# Altium PCB SUDA_V3S.PcbDoc (part 1 of 2) (continued)
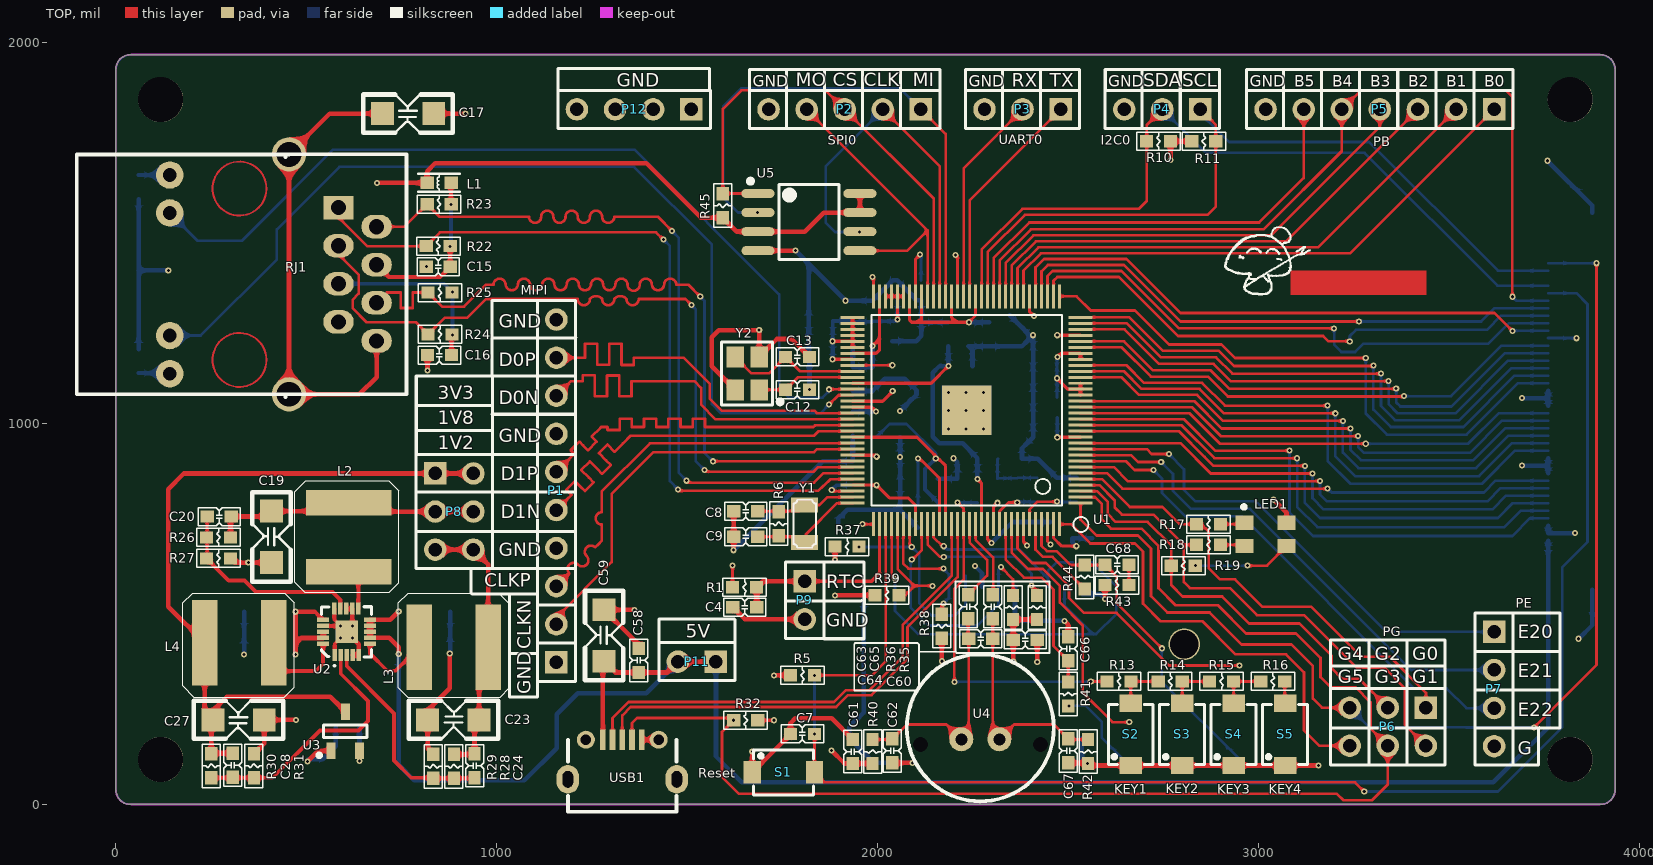
[diagram p0: TOP view]
## Components (designator, comment, footprint, x,y, rotation, side; value= is the part's Value field where it differs from the comment) (continued)
R27 "100K" RES-0603 270,646 r0 top locked
R28 "150K" RES-0603 888,100 r90 top locked
R29 "150K" RES-0603 834,100 r90 top locked
R30 "680K" RES-0603 251,101.43 r90 top locked
R31 "150K" RES-0603 363,101.43 r90 top locked
R32 "47K" RES-0603 1654,221 r0 top locked
R33 "47K" RES-0603 2564,667 r90 bottom locked
R34 "47K" RES-0603 2512,667 r90 bottom locked
R35 "47K" RES-0603 2419,517 r270 top locked
R36 "47K" RES-0603 2356,517 r270 top locked
R37 "47K" RES-0603 1920,677 r180 top locked
R38 "47K" RES-0603 2169,468 r270 top locked
R39 "47K" RES-0603 2025,549 r180 top locked
R40 "2K" RES-0603 1987,139 r90 top locked
R41 "2K" RES-0603 2501,290 r90 top locked
R42 "2K" RES-0603 2553,139 r90 top locked
R43 "22" RES-0603 2629,576 r0 top locked
R44 "0" RES-0603 2544,597 r270 top locked
R45 "10K" RES-0603 1594,1572 r270 top locked
RJ1 "HR911105A" HR911105A 332,1381 r180 top locked
S1 "Reset" KEY_3X4X2 1753,84 r0 top locked
S2 "KEY1" KEY_3X4X2 2665,184 r90 top locked
S3 "KEY2" KEY_3X4X2 2800,184 r90 top locked
S4 "KEY3" KEY_3X4X2 2935,184 r90 top locked
S5 "KEY4" KEY_3X4X2 3070,184 r90 top locked
U1 "V3S-LQFP128" QFP-128 2234,1035 r90 top locked
U2 "EA3036" QFN20-3X3 605.58,452.83 r90 top locked
U3 "XC6206P302" SOT-23-3L 603,192 r90 top locked
U4 "MIC" MIC_9767 2270,201 r270 top locked
U5 "W25Q128" LC-SOP-8_208mil 1820,1529 r270 top locked
USB1 "USB_Micro_5S_B" USB_MICRO_5S_B 1330,170 r180 top locked
Y1 "32.768KHz" FC-135(3215) 1809,737 r90 top locked
Y2 "24MHz" LC-SMD-3225_4P 1658,1132 r90 top locked
? "" LOGO-MOMO 3004,1423 r0 top

## Footprints (in the part's own frame and the unit in brackets; to place one, negate y for a bottom-side part, rotate by r counter-clockwise, add the part's x,y. Pads: shape width x height; smd on the part's side, far side on the other; paste and mask are expansions set on the pad)
7MSDP-B0-1012 [mm] "Micro SD卡座"
  rect 0.7x1.6 smd: 1(2.2,0) 2(1.1,0) 3(0,0) 4(-1.1,0) 5(-2.2,0) 6(-3.3,0) 7(-4.4,0) 8(-5.5,0) 9(-6.6,0)
  rect 1.2x1.6 smd: 10(-7.8,-0.5)
  rect 1.4x1.6 smd: 11(6.8,-0.5)
  rect 1.2x2.2 smd: 12(-7.75,-10.1) 13(7.75,-10.1)
  round 0.8 hole 1: ""(-5,-10.5) ""(3,-10.5)
  silkscreen extent -7.6,-14.5 7.8,0, body extent -8,-14.45 8,0.8, height 1.85
CAP-0603 [mm] "0603(1608)封装的贴片陶瓷电容"
  rect 0.89x0.82 smd: 1(-0.8,0) 2(0.8,0)
  silkscreen extent -1.41,-0.6 1.41,0.6, body extent -0.93,-0.41 0.93,0.41, height 0.81
CAP-1206 [mil] "1206封装贴片陶瓷电容"
  rect 60x60 smd: 1(0,0) 2(135,0)
  silkscreen extent -50,-50 185,50, body extent 5,-31 131,31, height 63
FC-135(3215) [mm]
  rect 1x1.8 smd: 1(-1.25,0) 2(1.25,0)
  Mechanical 8 keep-out region: -0.7,-0.9 0.7,-0.9 0.7,0.9 -0.7,0.9
  silkscreen extent -1.6,-0.75 1.6,0.75, body extent -1.6,-0.75 1.6,0.75, height 0.81
FPC_40P [mil] "FPC_40P"
  rect 80x12 smd: 1(0,-767.91) 2(0,-748.22) 3(0,-728.53) 4(0,-708.84) 5(0,-689.15) 6(0,-669.46) 7(0,-649.77) 8(0,-630.08) 9(0,-610.39) 10(0,-590.7) 11(0,-571.01) 12(0,-551.32) 13(0,-531.63) 14(0,-511.94) 15(0,-492.25) 16(0,-472.56) 17(0,-452.87) 18(0,-433.18) 19(0,-413.49) 20(0,-393.8) 21(0,-374.11) 22(0,-354.42) 23(0,-334.73) 24(0,-315.04) 25(0,-295.35) 26(0,-275.66) 27(0,-255.97) 28(0,-236.28) 29(0,-216.59) 30(0,-196.9) 31(0,-177.21) 32(0,-157.52) 33(0,-137.83) 34(0,-118.14) 35(0,-98.45) 36(0,-78.76) 37(0,-59.07) 38(0,-39.38) 39(0,-19.69) 40(0,0)
  rect 100x120 smd: 41(-115.52,113.24) 42(-116.21,-876.5)
  body extent -206,-898 38,136, height 40
HDR1X2 [mm] "Connector; Header; 2 Position"
  rect 1.5x1.5 hole 0.9: 1(0,0)
  round 1.5 hole 0.9: 2(2.54,0)
  silkscreen extent -1.27,-1.27 3.81,1.27
HDR1X3 [mm] "Connector; Header; 3 Position"
  rect 1.5x1.5 hole 0.9: 1(0,0)
  round 1.5 hole 0.9: 2(2.54,0) 3(5.08,0)
  silkscreen extent -1.27,-1.27 6.35,1.27
HDR1X4 [mm] "Connector; Header; 4 Position"
  rect 1.5x1.5 hole 0.9: 1(0,0)
  round 1.5 hole 0.9: 2(2.54,0) 3(5.08,0) 4(7.62,0)
  silkscreen extent -1.27,-1.27 8.89,1.27
HDR1X5 [mm] "Connector; Header; 5 Position"
  rect 1.5x1.5 hole 0.9: 1(0,0)
  round 1.5 hole 0.9: 2(2.54,0) 3(5.08,0) 4(7.62,0) 5(10.16,0)
  silkscreen extent -1.27,-1.27 11.43,1.27
HDR1X7 [mm] "Connector; Header; 7 Position"
  rect 1.5x1.5 hole 0.9: 1(0,0)
  round 1.5 hole 0.9: 2(2.54,0) 3(5.08,0) 4(7.62,0) 5(10.16,0) 6(12.7,0) 7(15.24,0)
  silkscreen extent -1.27,-1.27 16.51,1.27
HDR1X10 [mm] "Connector; Header; 10 Position"
  rect 1.5x1.5 hole 0.9: 1(0,0)
  round 1.5 hole 0.9: 2(2.54,0) 3(5.08,0) 4(7.62,0) 5(10.16,0) 6(12.7,0) 7(15.24,0) 8(17.78,0) 9(20.32,0) 10(22.86,0)
  silkscreen extent -1.27,-1.27 24.13,1.27
HDR2X3 [mm] "Connector; Header; 3x2 Position"
  rect 1.5x1.5 hole 0.9: 1(0,0)
  round 1.5 hole 0.9: 2(0,2.54) 3(2.54,0) 4(2.54,2.54) 5(5.08,0) 6(5.08,2.54)
  silkscreen extent -1.27,-1.27 6.35,3.81
HR911105A [mil]
  rect 80x62 hole 40: 1(-252.91,-186)
  oval 80x62 hole 40: 2(-352.91,-136) 3(-252.91,-86) 4(-352.91,-36) 5(-252.91,14) 6(-352.91,64) 7(-252.91,114) 8(-352.91,164)
  round 72 hole 36: 9(190,-271.63) 10(190,-172) 11(190,149.87) 12(190,250)
  round 90 hole 65: 13(-122.99,304.16) 14(-122.99,-325.76)
  Multi-Layer circle w5: c7.09,214 r70.8
  Multi-Layer circle w5: c7.09,-236 r70.8
  silkscreen extent -432,-326 434,311, body extent -427,-324 416,302, height 512
KEY_3X4X2 [mm] "贴片式轻触开关3X4X2"
  rect 1.143x1.5 smd: 1(-2.075,0) 2(2.075,0)
  silkscreen extent -2,-1.5 2,1.5, body extent -2.25,-1.55 2.25,1.55, height 2.05
L-0603 [mm] "Inductor 0603(1608)"
  rect 0.89x0.82 smd: 1(-0.8,0) 2(0.8,0)
  silkscreen extent -1.4,-0.6 1.4,0.6, body extent -0.8,-0.4 0.8,0.4, height 0.95
L-PWR-6028 [mm] "绕线功率电感，6mmX6mm"
  rect 1.7x5.7 smd: 1(-2.3,0) 2(2.3,0)
  silkscreen extent -3.76,-3.61 3.68,3.33, body extent -3.03,-3 2.97,3, height 2.81
LC-SMD-3225_4P [mm]
  rect 1.4x1.15 smd: 1(-1.1,-0.8) 2(1.1,-0.8) 3(1.1,0.8) 4(-1.1,0.8)
  silkscreen extent -2.1,-2.35 2.1,1.7, body extent -1.6,-1.25 1.6,1.25, height 0.61
LC-SOP-8_208mil [mm]
  oval 0.6x2.2 smd: 1(-1.905,-3.4) 2(-0.635,-3.4) 3(0.635,-3.4) 4(1.905,-3.4) 5(1.905,3.4) 6(0.635,3.4) 7(-0.635,3.4) 8(-1.905,3.4)
  silkscreen extent -2.88,-4.05 2.5,2, body extent -2.7,-4.13 2.7,4.07, height 2.14
LED-RGB-3528 [mm] "RGB发光二极管,3.5mm*2.8mm"
  rect 1.2x0.95 smd: 1(1.4,-0.775) 2(-1.4,-0.775) 3(-1.4,0.775) 4(1.4,0.775)
  silkscreen extent 1.32,-1.95 1.57,-1.7, body extent -1.75,-1.4 1.75,1.4, height 1.75
LOGO-MOMO [mil]
  silkscreen extent -93,-85 133,94
MIC_9767 [mm]
  round 1.6 hole 0.8: 1(0.762,1.27) 2(0.762,-1.27)
  silkscreen extent -4.9,-4.9 4.9,4.9, body extent -4.8,-4.8 4.8,4.8, height 6.7
PJ-316A [mm]
  round 2.1 hole 1.9: 0(3.7,-7.8)
  rect 2.5x1.6 smd: 1(0,0) 2(7.4,-6.5) 3(0,-2.6) 4(7.5,0) 5(7.4,-8.8) 6(0,-7.6)
  silkscreen extent 0.7,-9.4 6.9,2.8, body extent 0.76,-9.27 6.86,4.19, height 3.6
QFN20-3X3 [mm]
  rect 0.8x0.3 smd: 1(-1.541,0.779) 2(-1.541,0.379) 3(-1.541,-0.021) 4(-1.541,-0.421) 5(-1.541,-0.821) 11(1.55,-0.8) 12(1.55,-0.4) 13(1.55,0) 14(1.55,0.4) 15(1.55,0.8)
  rect 0.3x0.8 smd: 6(-0.791,-1.571) 7(-0.391,-1.571) 8(0.009,-1.571) 9(0.409,-1.571) 10(0.809,-1.571) 16(0.8,1.55) 17(0.4,1.55) 18(0,1.55) 19(-0.4,1.55) 20(-0.8,1.55)
  rect 1.5x1.5 smd: 21(0.004,-0.011)
  silkscreen extent -2.3,-1.69 1.68,1.67, body extent -1.51,-1.52 1.51,1.5, height 0.75
QFP-128 [mm]
  rect 0.2x1.6 smd: 1(-6.2,-7.6) 2(-5.8,-7.6) 3(-5.4,-7.6) 4(-5,-7.6) 5(-4.6,-7.6) 6(-4.2,-7.6) 7(-3.8,-7.6) 8(-3.4,-7.6) 9(-3,-7.6) 10(-2.6,-7.6) 11(-2.2,-7.6) 12(-1.8,-7.6) 13(-1.4,-7.6) 14(-1,-7.6) 15(-0.6,-7.6) 16(-0.2,-7.6) 17(0.2,-7.6) 18(0.6,-7.6) 19(1,-7.6) 20(1.4,-7.6) 21(1.8,-7.6) 22(2.2,-7.6) 23(2.6,-7.6) 24(3,-7.6) 25(3.4,-7.6) 26(3.8,-7.6) 27(4.2,-7.6) 28(4.6,-7.6) 29(5,-7.6) 30(5.4,-7.6) 31(5.8,-7.6) 32(6.2,-7.6) 65(6.2,7.6) 66(5.8,7.6) 67(5.4,7.6) 68(5,7.6) 69(4.6,7.6) 70(4.2,7.6) 71(3.8,7.6) 72(3.4,7.6) 73(3,7.6) 74(2.6,7.6) 75(2.2,7.6) 76(1.8,7.6) 77(1.4,7.6) 78(1,7.6) 79(0.6,7.6) 80(0.2,7.6) 81(-0.2,7.6) 82(-0.6,7.6) 83(-1,7.6) 84(-1.4,7.6) 85(-1.8,7.6) 86(-2.2,7.6) 87(-2.6,7.6) 88(-3,7.6) 89(-3.4,7.6) 90(-3.8,7.6) 91(-4.2,7.6) 92(-4.6,7.6) 93(-5,7.6) 94(-5.4,7.6) 95(-5.8,7.6) 96(-6.2,7.6)
  rect 1.6x0.2 smd: 33(7.6,-6.2) 34(7.6,-5.8) 35(7.6,-5.4) 36(7.6,-5) 37(7.6,-4.6) 38(7.6,-4.2) 39(7.6,-3.8) 40(7.6,-3.4) 41(7.6,-3) 42(7.6,-2.6) 43(7.6,-2.2) 44(7.6,-1.8) 45(7.6,-1.4) 46(7.6,-1) 47(7.6,-0.6) 48(7.6,-0.2) 49(7.6,0.2) 50(7.6,0.6) 51(7.6,1) 52(7.6,1.4) 53(7.6,1.8) 54(7.6,2.2) 55(7.6,2.6) 56(7.6,3) 57(7.6,3.4) 58(7.6,3.8) 59(7.6,4.2) 60(7.6,4.6) 61(7.6,5) 62(7.6,5.4) 63(7.6,5.8) 64(7.6,6.2) 97(-7.6,6.2) 98(-7.6,5.8) 99(-7.6,5.4) 100(-7.6,5) 101(-7.6,4.6) 102(-7.6,4.2) 103(-7.6,3.8) 104(-7.6,3.4) 105(-7.6,3) 106(-7.6,2.6) 107(-7.6,2.2) 108(-7.6,1.8) 109(-7.6,1.4) 110(-7.6,1) 111(-7.6,0.6) 112(-7.6,0.2) 113(-7.6,-0.2) 114(-7.6,-0.6) 115(-7.6,-1) 116(-7.6,-1.4) 117(-7.6,-1.8) 118(-7.6,-2.2) 119(-7.6,-2.6) 120(-7.6,-3) 121(-7.6,-3.4) 122(-7.6,-3.8) 123(-7.6,-4.2) 124(-7.6,-4.6) 125(-7.6,-5) 126(-7.6,-5.4) 127(-7.6,-5.8) 128(-7.6,-6.2)
  rect 3.3x3.3 smd: 129(0,0)
  silkscreen extent -8.12,-8.12 6.35,6.35, body extent -8,-8 8,8, height 1.1
RES-0603 [mm] "0603封装的贴片电阻"
  rect 0.89x0.82 smd: 1(-0.8,0) 2(0.8,0)
  silkscreen extent -1.45,-0.6 1.45,0.6, body extent -0.82,-0.41 0.82,0.41, height 0.46
SOT-23-3L [mm] "1SS181开关二极管"
  rect 1.1x0.6 smd: 1(-1.3,0.95) 2(-1.3,-0.95) 3(1.3,0)
  silkscreen extent -1.72,-1.45 0.43,1.87, body extent -1.27,-1.55 1.27,1.52, height 1.1
USB_MICRO_5S_B [mil] "5SB型Micro USB母口"
  rect 15x54 smd: 1(51,0) 2(25.5,0) 3(0,0) 4(-25.5,0) 5(-51,0)
  oval 59.06x74.8 hole 27.56 slot 43.31 at 90 deg: 6(-143,104) 7(143,104)
  round 47.24 hole 27.5: 8(95.5,0) 9(-95.5,0)
  silkscreen extent -143,0 143,189, body extent -161,-9 161,204, height 105

## Part data
C1 C2 C3 C4 C5 C6 C7 C8 C9 C10 C11 C12 C13 C14 C15 C16 C20 C24 C25 C28 C30 C31 C32 C33 C34 C35 C36 C37 C38 C39 C40 C41 C42 C43 C44 C45 C46 C47 C48 C49 C50 C51 C52 C53 C54 C55 C56 C57 C58 C60 C61 C62 C63 C64 C65 C66 C67 C68: library part C_0603, "陶瓷贴片电容0603"
C17 C18 C19 C21 C22 C23 C26 C27 C29 C59: library part C_1206, "陶瓷贴片电容1206"
J1: "自制LCD接口,RGB+IIC触摸，40P"
J2: "音频接口，左右声道+麦克"
L1: "贴片磁珠0603"
L2 L3 L4: library part L_Power, "功率电感"
LED1: "RGB发光二极管"
P1: library part "Header 10", "Header, 10-Pin"
P2: library part "Header 5", "Header, 5-Pin"
P3 P4: library part "Header 3", "Header, 3-Pin"
P5: library part "Header 7", "Header, 7-Pin"
P6 P8: library part "Header 3X2", "Header, 3-Pin, Dual row"
P7 P12: library part "Header 4", "Header, 4-Pin"
P9 P11: library part "Header 2", "Header, 2-Pin"
P10: "Micro SD卡座"
R1 R2 R3 R4 R5 R6 R7 R8 R9 R10 R11 R12 R13 R14 R15 R16 R17 R18 R19 R20 R21 R22 R23 R24 R25 R26 R27 R28 R29 R30 R31 R32 R33 R34 R35 R36 R37 R38 R39 R40 R41 R42 R43 R44 R45: library part R_0603, "贴片电阻0603"
RJ1: "Header, 8-Pin, Dual row"
S1 S2 S3 S4 S5: library part KEY, "轻触开关3X4X2"
U1: "Allwinner V3S SoC"
U2: "3CH Power Management IC"
U3: library part XC6206, "XC6206 LDO=3V"
U4: "咪头"
U5: "128Mbits SPI Flash"
USB1: "micro USB母座5SB型"
Y1: library part OSC_32768, "32.768KHz时钟晶振"
Y2: library part XTAL_PASSIVE, "贴片无源晶振(3225)"

## Free pads (board coordinates)
  round 118.11 hole 118.11 unplated: ""(118.11,118.11) ""(118.11,1850.39) ""(3818.89,118.11) ""(3818.89,1850.39)

## Via types
v1: diameter 16, hole 8, TOP to BOT, 161 vias

## Nets (pads, with @x,y where several pads share a name; then routed paths per layer and width w, separated by ;. In a path a pad name is that pad's centre, name@x,y a point inside that pad or via, vN(x,y) a via of type N, cw(c..) or ccw(c..) an arc to the next point about the centre after c; other vN are vias at no path point)
1V2: C23.2 C24.1 C46.1 C47.1 C48.1 C49.1 C50.1 C51.1 C52.1 C53.1 C54.1 C55.1 C56.1 C57.1 L3.1 P8.5 P8.6 R28.2 U1.19 U1.20 U1.21 U1.25 U1.26 U1.38 U1.47 U1.51 U1.56 U1.58 U1.64 U1.80 U1.88 U1.108 U1.126 | length 2188.1
  TOP w8: C24.1@940.43,131.5 C24.1@942,133.07 ; U1.88@1934.79,916.89 1994.11,916.89 v1(1998,913) ; U1.80@1934.79,1042.87 1985.13,1042.87 v1(1996,1032) ; v1(1987,1385) 1989.91,1382.09 U1.64@1989.91,1334.21 ; U1.58@2084.39,1334.21 2084.39,1271.61 2090,1266 2105.89,1266 ; v1(2106,908.36) 2110.64,908.36 2163.13,855.87 U1.108@2163.13,735.79 ; U1.56@2115.89,1334.21 2115.89,1276 2105.89,1266 ; U1.51@2194.63,1334.21 2194.63,1278.37 2207,1266 ; U1.47@2257.62,1334.21 2257.62,1283.62 v1(2240,1266) 2207,1266 ; U1.38@2399.35,1334.21 2399.35,1293.65 v1(2411,1282) ; U1.126@2446.6,735.79 2446.6,690.4 v1(2454,683) ; v1(2471,1119) 2499.88,1090.12 U1.20@2533.21,1090.12 ; v1(2473,1175) 2482.61,1184.61 U1.26@2533.21,1184.61 U1.25@2533.21,1168.86 ; U1.19@2533.21,1074.37 U1.20@2533.21,1090.12 ; U1.21@2533.21,1105.87 U1.20@2533.21,1090.12 ; 2105.89,1266 2207,1266
  TOP w12: P8.5@839,669 P8.6@939,669 977.55,630.45 L3.1@977.55,413 954,389.45 C23.2@954,222 942,210 C24.1@942,133.07 ; R28.2@888,131.5 C24.1@940.43,131.5
  BOT w8: C50.1@2106,789.5 v1(2106,908.36) v1@2106,913 ; v1(2240,1266) C57.1@2240.5,1265.5 ; C53.1@2471,1175 v1(2471,1119) 2471.5,1118.5 C52.1@2471.5,1068
  BOT w12: C48.1@1935,1031.5 1995.5,1031.5 v1(1996,1032) ; C57.1@2240.5,1265.5 C55.1@2293,1265.5
1V8: C10.1 C19.2 C20.1 C30.1 C31.1 C32.1 C33.1 C34.1 C35.1 L2.1 P8.3 P8.4 R8.1 R26.2 U1.59 U1.60 U1.61 U1.62 U1.65 U1.66 U1.67 U1.68 U1.69 U1.70 U1.72 U1.79 | length 1444.5
  TOP w8: v1(1881.9,1216.1) U1.69@1934.79,1216.1 ; v1(1882.14,1168.86) U1.72@1934.79,1168.86 ; U1.79@1934.79,1058.62 2013.62,1058.62 v1(2040,1085) ; U1.70@1934.79,1200.35 U1.69@1934.79,1216.1 ; U1.65@1934.79,1279.09 U1.66@1934.79,1263.35 U1.67@1934.79,1247.6 U1.68@1934.79,1231.85 U1.69@1934.79,1216.1 ; U1.62@2021.4,1334.21 U1.61@2037.15,1334.21 U1.60@2052.9,1334.21 ; v1(2052.9,1273.1) U1.60@2052.9,1334.21 ; U1.59@2068.65,1334.21 U1.60@2052.9,1334.21
  TOP w12: R26.2@301.5,701 301.5,754.43 C20.1@303.07,756 395,756 C19.2@409,770 589.45,770 L2.1@612,792.55 635.55,769 P8.3@839,769 P8.4@939,769
  BOT w10: v1(1881.9,1216.1) 1882.5,1215.5 C31.1@1882.5,1168.86 ; C35.1@1882.5,1217 C34.1@1882.5,1269 1933.5,1269 R8.1@1935,1267.5 1986,1267.5 C10.1@1987,1268.5 C30.1@2050.3,1268.5 ; C30.1@2052.5,1273.1 C33.1@2052.5,1324
3V0: C25.1 C26.1 C36.1 C37.1 C38.1 C61.2 R12.2 R40.1 U1.76 U1.115 U3.2 | length 1089
  TOP w8: U1.76@1934.79,1105.87 2140.87,1105.87 v1(2186,1151) ; v1(2263,854) 2273.37,843.63 U1.115@2273.37,735.79
  TOP w12: v1(640.4,113.6) U3.2@640.4,140.82 ; v1(1879,142) 1913.5,107.5 C61.2@1935,107.5 R40.1@1987,107.5
  BOT w12: C26.1@640,119 640,201.5 C25.1@640.5,202 ; C37.1@2186,1202.5 v1(2186,1151) 2163,1151 2145,1133 2145,965 2162,948 2223.5,948 C38.1@2262.5,909 2262.5,854.5 v1(2263,854)
3V3: C27.2 C28.1 C39.1 C40.1 C41.1 C42.1 C43.1 C44.1 C45.1 C60.1 L1.2 L4.1 LED1.2 P8.1 P8.2 P10.4 R1.2 R5.2 R10.2 R11.2 R20.2 R21.1 R30.2 R32.2 R33.2 R34.2 R35.2 R36.2 R37.2 R38.2 R39.2 R45.2 U1.12 U1.29 U1.50 U1.57 U1.85 U1.93 U1.104 U1.109 U1.122 U1.127 U3.3 U5.3 U5.7 U5.8 | length 6447.3
  TOP w8: R1.2@1619.5,570 v1(1619.5,627.5) ; R32.2@1685.5,221 v1(1728,221) ; U1.93@1934.79,838.15 v1(1997.85,838.15) 2031,805 2080,805 2100.14,784.86 U1.104@2100.14,735.79 ; U1.85@1934.79,964.13 2103.87,964.13 2153,915 v1(2153,908.36) 2159.64,908.36 2178.88,889.12 U1.109@2178.88,735.79 ; U1.57@2100.14,1334.21 2100.14,1432.14 v1(2112,1444) ; v1(2205,1443) 2210.38,1437.62 U1.50@2210.38,1334.21 ; U1.122@2383.61,735.79 2383.61,689.39 v1(2393,680) ; U1.127@2462.35,735.79 2462.35,699.65 2484,678 v1(2522,678) ; v1(2472,964) 2472.13,964.13 U1.12@2533.21,964.13 ; v1(2472,1232) 2472.15,1231.85 U1.29@2533.21,1231.85
  TOP w12: C28.1@307,134.5 252.57,134.5 R30.2@251,132.92 251,218 C27.2@255,222 ; U3.3@603,243.18 563.18,283 292,283 255,246 C27.2@255,222 ; v1(686,1632) L1.2@817.5,1632 817.5,1662.5 839,1684 1393,1684 1536.5,1540.5 R45.2@1594,1540.5 1630.5,1504 U5.3@1686.14,1504 1809,1504 1859,1554 U5.7@1953.86,1554 U5.8@1953.86,1604 ; P8.2@939,869 P8.1@839,869 179,869 138,828 138,519.45 L4.1@233.45,424 233.45,243.55 C27.2@255,222 ; v1(1728,339) R5.2@1771.5,339 ; v1(1888,549) R39.2@1993.5,549 ; v1(1888.5,641.5) R37.2@1888.5,677 ; v1(2169,376) R38.2@2169,436.5 ; v1(2356.5,375.5) C60.1@2356.5,432 2356.5,485 R36.2@2356,485.5 R35.2@2419,485.5 ; v1(2769.5,1692.5) R10.2@2769.5,1741 R11.2@2825.5,1741 R11.2@2826,1741 ; v1(3040,800) 3074.12,765.88 LED1.2@3074.12,739.51
  BOT w8: C44.1@1996.5,964 2031.5,999 2076,999 2153,922 v1(2153,908.36) ; v1(2112,1444) 2114.5,1441.5 C42.1@2114.5,1376 ; C40.1@2471.5,1016 2472,1015.5 v1(2472,964)
  BOT w10: v1(2153,908.36) 2125,880.36 2125,826.5 C43.1@2159,792.5
  BOT w12: R21.1@60,1195.5 60,1402 ; R20.2@60,1589.5 60,1402 ; v1(138,1402) 60,1402 ; v1(2256,626) 2274.46,607.54 P10.4@2274.46,571.39 ; R34.2@2512,698.5 R34.2@2512,695 ; v1(2522,678) 2512,688 R34.2@2512,695 ; R33.2@2564,698.5 2515.5,698.5 R34.2@2512,695
5V: C18.2 C21.2 C22.2 C29.2 C58.1 C59.1 J1.1 J1.2 P11.1 P11.2 U2.7 U2.8 U2.9 U2.10 U2.16 U2.18 U2.19 USB1.1 | length 5283.7
  TOP w10: 522.89,506 U2.16@544.56,484.32 ; U2.19@544.56,437.08 U2.18@544.56,452.83
  TOP w12: v1(472,394) 472,422 ; 522.89,506 v1(472,506) 472,422 ; U2.19@544.56,437.08 487.08,437.08 472,422 ; v1(743,395) 743,412.85 718.42,437.42 U2.7@667.44,437.42 U2.8@667.44,453.17 U2.10@667.44,484.67 720.67,484.67 v1(743,507) ; USB1.1@1279,170 1279,373 C59.1@1282,376 1311.5,346.5 C58.1@1373,346.5 1447.5,346.5 P11.2@1476,375 P11.1@1576,375
  BOT w12: v1(743,395) 743,104 784,63 1073,63 1158,148 1158,237 1213,292 1393,292 P11.2@1476,375 ; P11.1@1576,375 1576,126 1644,58 3617,58 3761,202 J1.1@3761,672.82 J1.2@3761,692.51
EARTH: C17.2 RJ1.8 RJ1.13 RJ1.14 | length 1263
  TOP w12: RJ1.8@684.91,1217 684.91,1121.91 639.84,1076.84 RJ1.13@454.99,1076.84 RJ1.14@454.99,1706.76 562.23,1814 C17.2@700,1814
ETH_LED_LINK: RJ1.10 U1.77 | length 2348.5
  TOP w7: v1(1873,1090) 1934.67,1090 U1.77@1934.79,1090.12
  BOT w7: RJ1.10@142,1553 215,1480 331,1480 570,1719 1362,1719 1742,1339 1742,1092 1766,1068 1856,1068 1873,1085 v1(1873,1090)
ETH_LED_SPD: RJ1.11 U1.78 | length 2555.6
  TOP w7: v1(1873,1050) 1897.37,1074.37 U1.78@1934.79,1074.37
  BOT w7: RJ1.11@142,1231.13 223.13,1231.13 423,1431 423,1510 587,1674 1361,1674 1565,1470 1565,1051 1589,1027 1850,1027 v1(1873,1050)
ETH_RX_N: R25.1 RJ1.6 U1.89 | length 2064
  TOP w7: RJ1.6@684.91,1317 711.91,1344 746,1344 748,1344 748,1303.27 780,1303.27 780,1344 796,1344 R25.1@820.08,1344 857.08,1307 915,1307 972.5,1364.5 990,1364.5 991.75,1364.5 cw(c1007.75,1364.5) 1023.75,1364.5 ccw(c1039.75,1366.08) 1055.75,1364.5 cw(c1071.75,1364.5) 1087.75,1364.5 ccw(c1103.75,1366.08) 1119.75,1364.5 cw(c1135.75,1364.5) 1151.75,1364.5 ccw(c1167.75,1366.08) 1183.75,1364.5 cw(c1199.75,1364.5) 1215.75,1364.5 ccw(c1231.75,1366.08) 1247.75,1364.5 cw(c1263.75,1364.5) 1279.75,1364.5 ccw(c1295.75,1366.08) 1311.75,1364.5 cw(c1327.75,1364.5) 1343.75,1364.5 ccw(c1359.75,1364.5) 1375.75,1364.5 cw(c1391.75,1364.5) 1407.75,1364.5 ccw(c1423.75,1366.08) 1439.75,1364.5 cw(c1455.75,1364.5) 1471.75,1364.5 1503.75,1364.5 v1(1534.63,1333.63) ; v1(1568,901) 1831,901 ; 1831,901.14 U1.89@1934.79,901.14
  BOT w7: v1(1534.63,1333.63) 1546,1322.25 1546,923 v1(1568,901)
ETH_RX_P: R24.1 RJ1.3 U1.90 | length 2063.3
  TOP w7: RJ1.3@584.91,1467 584.91,1444.09 638,1391 638,1341 622,1325 622,1303 659,1266 788.08,1266 R24.1@820.08,1234 863.58,1277.5 922.5,1277.5 972,1327 1200,1327 1213,1327 ccw(c1229,1327) 1245,1327 cw(c1261,1314.14) 1277,1327 ccw(c1293,1327) 1309,1327 cw(c1325,1314.14) 1341,1327 ccw(c1357,1327) 1373,1327 1496,1327 v1(1512,1311) ; v1(1545.37,878.37) 1550.25,873.5 1832.11,873.5 1844,885.39 U1.90@1934.79,885.39
  BOT w7: v1(1512,1311) 1523,1300 1523,900.75 v1(1545.37,878.37)
ETH_TX_N: R23.1 RJ1.2 U1.91 | length 2076.8
  TOP w7: RJ1.2@684.91,1517 758.5,1517 R23.1@817.5,1576 850.5,1543 1064,1543 1085,1543 ccw(c1101,1543) 1117,1543 cw(c1133,1543) 1149,1543 ccw(c1165,1543) 1181,1543 cw(c1197,1543) 1213,1543 ccw(c1229,1543) 1245,1543 cw(c1261,1543) 1277,1543 ccw(c1293,1543) 1309,1543 1423.25,1543 v1(1460.63,1505.63) ; v1(1499,850) 1504,845 1833.35,845 1858,869.65 U1.91@1934.79,869.65
  BOT w7: v1(1460.63,1505.63) 1478,1488.25 1478,871 v1(1499,850)
ETH_TX_P: R22.1 RJ1.1 U1.92 | length 2076.5
  TOP w7: RJ1.1@584.91,1567 584.91,1541.09 660,1466 R22.1@815.5,1466 851.5,1502 1419,1502 v1(1438,1483) ; v1(1476.37,827.37) 1480.35,823.39 1844.27,823.39 1877,853.9 U1.92@1934.79,853.9
  BOT w7: v1(1438,1483) 1455,1466 1455,848.75 v1(1476.37,827.37)
GND: C1.2 C2.2 C3.1 C4.2 C7.2 C8.2 C9.2 C11.2 C12.2 C13.2 C14.2 C15.1 C16.1 C17.1 C18.1 C19.1 C21.1 C22.1 C23.1 C25.2 C26.2 C27.1 C29.1 C30.2 C31.2 C32.2 C33.2 C34.2 C35.2 C36.2 C37.2 C38.2 C39.2 C40.2 C41.2 C42.2 C43.2 C44.2 C45.2 C46.2 C47.2 C48.2 C49.2 C50.2 C51.2 C52.2 C53.2 C54.2 C55.2 C56.2 C57.2 C58.2 C59.2 C60.2 C61.1 C62.1 C66.1 C67.1 J1.3 J1.4 J1.11 J1.12 J1.13 J1.20 J1.21 J1.22 J1.29 J1.41 J1.42 P1.1 P1.4 P1.7 P1.10 P2.5 P3.3 P4.3 P5.7 P7.4 P9.2 P10.6 P10.10 P10.11 P10.12 P10.13 P12.1 P12.2 P12.3 P12.4 R3.1 R4.2 R7.2 R9.2 R27.2 R29.2 R31.2 R42.1 R43.1 S1.1 S2.1 S3.1 S4.1 S5.1 U1.116 U1.129 U2.1 U2.4 U2.5 U2.12 U2.13 U2.15 U2.17 U2.21 U3.1 U5.4 USB1.5 USB1.6 USB1.7 USB1.8 USB1.9 Y2.2 Y2.4 | length 8978.6
  TOP w8: U1.116@2289.12,735.79 2289.12,695.88 v1(2299,686)
  TOP w10: U2.17@544.56,468.58 v1(590.42,468.58) ; U2.15@574.09,513.85 574.09,484.91 v1(590.42,468.58) ; U2.1@574.92,392.15 574.92,421.92 v1(590.46,437.46) U2.21@606,453 ; U2.13@605.58,513.85 U2.12@621.33,513.85 v1(621.33,468.33) U2.21@606,453 ; v1(590.42,468.58) U2.21@606,453
  TOP w12: R27.2@301.5,646 312.5,635 v1(348,635) C19.1@409,635 C19.1@404,640 ; R31.2@363,132.92 390,159.92 C27.1@390,222 v1(473,222) ; v1(504,113) 531.82,140.82 U3.1@565.6,140.82 ; U2.21@606,453 v1(621.96,437.04) 637.91,421.09 U2.5@637.91,392.15 U2.4@622.42,392.15 ; v1(818.5,1139.5) C16.1@818.5,1180 ; R29.2@834,131.5 819,146.5 C23.1@819,222 819,247 877,305 v1(877,396) ; C17.1@835,1814 v1(918,1814) ; v1(1362,511) C59.2@1282,511 1373,420 C58.2@1373,409.5 ; USB1.5@1381,170 USB1.9@1425.5,170 ; C4.2@1620.08,518 1652.08,486 P9.2@1809,486 ; v1(1622.5,667.5) C9.2@1622.5,703 C8.2@1622.5,770 ; Y2.4@1626.5,1088.69 1565,1150.2 1565,1227 1583.5,1245.5 v1(1689.5,1245.5) Y2.2@1689.5,1175.31 1736.19,1222 1774.5,1222 C13.2@1821.5,1175 ; v1(1671.31,139.31) S1.1@1671.31,84 1771.5,184.2 C7.2@1771.5,185 1771.5,213.5 1784,226 1879.5,226 C61.1@1935,170.5 ; U5.4@1686.14,1454 v1(1785,1454) ; C62.1@2039,109.08 v1(2091.92,109.08) ; v1(2419.5,373.5) C60.2@2419.5,432 ; v1(2491,482) 2501,472 C66.1@2501,440.5 ; C67.1@2501,109.08 R42.1@2551,109.08 ; R42.1@2558.2,102.31 S2.1@2665,102.31 S3.1@2800,102.31 S4.1@2935,102.31 S5.1@3070,102.31 v1(3157.69,102.31) ; v1(2597.5,539.5) R43.1@2597.5,576
  BOT w8: J1.29@3761,1224.14 v1(3834.86,1224.14)
  BOT w12: v1(337,394) C29.1@337,506 ; C26.2@505,119 544,119 577.5,152.5 C25.2@577.5,202 ; C21.1@878,398.24 C18.1@878,506 ; v1(1622.5,667.5) 1856.15,901.15 R4.2@1934.79,901.15 1935,901.36 C48.2@1935,968.5 ; v1(1785,1454) 1819.5,1419.5 ; v1(1821.5,1089) 1821.5,1163.01 C31.2@1819.5,1165 C35.2@1819.5,1217 C34.2@1819.5,1269 1819.5,1419.5 ; C3.1@1896.5,735 1896.5,749.5 1921,774 2059.5,774 ; R9.2@1935,1085.5 C11.2@1987,1085.5 2019.5,1118 2072,1118 2102.5,1087.5 C32.2@2102.5,1085 2102.5,1076 v1(2059.5,1033) ; P10.11@1963.43,551.7 1963.43,240.43 1926.03,203.03 P10.13@1926.03,173.75 1990.7,109.08 v1(2091.92,109.08) ; R7.2@2039,1216.5 2101.5,1216.5 2115.5,1230.5 C30.2@2115.5,1271 ; C44.2@2059.5,964 v1(2059.5,912) C45.2@2059.5,838 2059.5,774 ; C50.2@2106,726.5 2059.5,773.01 2059.5,774 ; C43.2@2159,855.5 2210,855.5 2210,898.5 v1(2199.5,909) ; C37.2@2186,1265.5 2121,1265.5 C30.2@2115.5,1271 ; C36.2@2249.5,1150 2249.5,1192.01 C57.2@2239,1202.5 C55.2@2293,1202.5 2379.01,1202.5 v1(2408.5,1232) ; v1(2299,686) 2354.5,741.5 C51.2@2453,741.5 ; C54.2@2347.5,1284 2399.5,1232 v1(2408.5,1232) ; P10.6@2361.07,571.39 2361.07,499.93 2379,482 v1(2491,482) ; C1.2@2523,857.5 C2.2@2471,857.5 2420.5,908 R3.1@2379.5,908 2379.5,934.99 C39.2@2408.5,964 C40.2@2408.5,1016 C52.2@2408.5,1068 C47.2@2408.5,1121 C53.2@2408.5,1176 v1(2408.5,1232) ; P10.12@2536.27,173.75 2536.27,121.73 v1(2551,107) ; P10.10@2538.24,551.7 2585.31,551.7 v1(2597.5,539.5) ; v1(3692.41,889.41) J1.12@3761,889.41 ; v1(3692.62,1066.62) J1.21@3761,1066.62 ; v1(3759,1690) 3876.52,1572.48 J1.41@3876.52,1553.97 ; J1.4@3761,731.89 J1.3@3761,712.2 v1(3831.8,712.2) ; J1.11@3761,869.72 J1.12@3761,889.41 ; J1.13@3761,909.1 J1.12@3761,889.41 ; J1.20@3761,1046.93 J1.21@3761,1066.62 ; J1.22@3761,1086.31 J1.21@3761,1066.62 ; v1(3841,435) 3877.21,471.21 J1.42@3877.21,564.23 ; 1819.5,1419.5 v1(1916.5,1322.5) C56.2@1987,1322.5 2040.5,1376 C42.2@2051.5,1376 2103.5,1324 C33.2@2115.5,1324 C30.2@2115.5,1271
  other v1: 2187,986 2232.5,986 2278,986 2187,1034 2232.5,1034 2278,1034 2187,1082 2232.5,1082 2278,1082 815.5,1412
HBIAS: C66.2 R41.2 U1.119 | length 509.4
  TOP w7: U1.119@2336.36,735.79 2336.36,643.64 2384.5,595.5 2430.5,595.5 2462,564 2462,416.5 C66.2@2501,377.5 R41.2@2501,321.5
HP_COM: C68.2 J2.4 R44.1 U1.125 | length 908.5
  TOP w7: U1.125@2430.85,735.79 2430.85,679.15 2445,665 2470,665 2506.5,628.5 R44.1@2544,628.5 2597,628.5 C68.2@2597.5,629 2628,598.5 2628,529 v1(2747,410)
  BOT w7: v1@2746,410 2746,322.91 J2.4@2955.28,113.64